# Altium PCB Science-Rev02 - reroute.PcbDoc
Units mil, origin at the board's own origin, x right, y up, seen from the top; angles counter-clockwise.
Board outline 3390 x 2510 mil, 4 copper layers (Top Layer, Ground Plane, Power Plane, Bottom Layer), stack 23.756 mil thick; 89 components, 75 nets, 335 pads, 0 vias.
Unrouted connection lines stored in the file: 224.
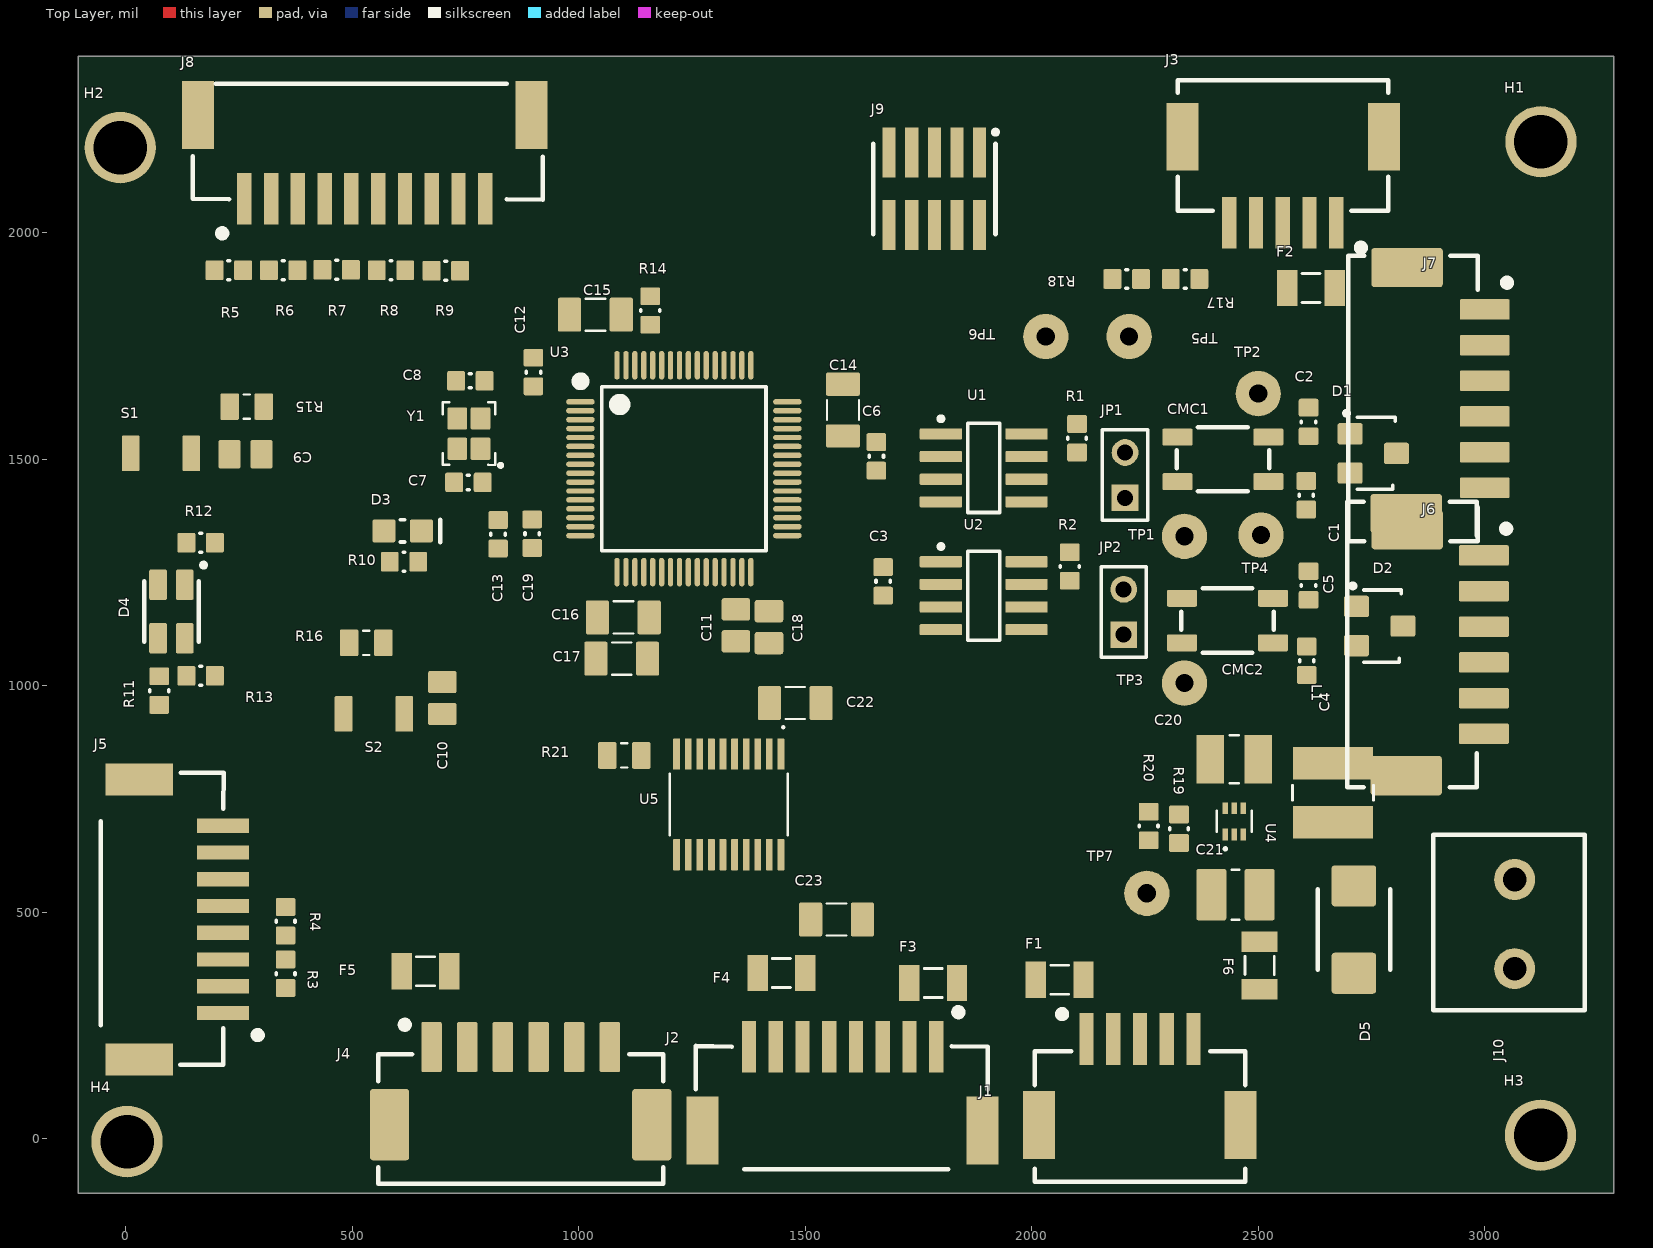
[diagram p0: Top Layer view]
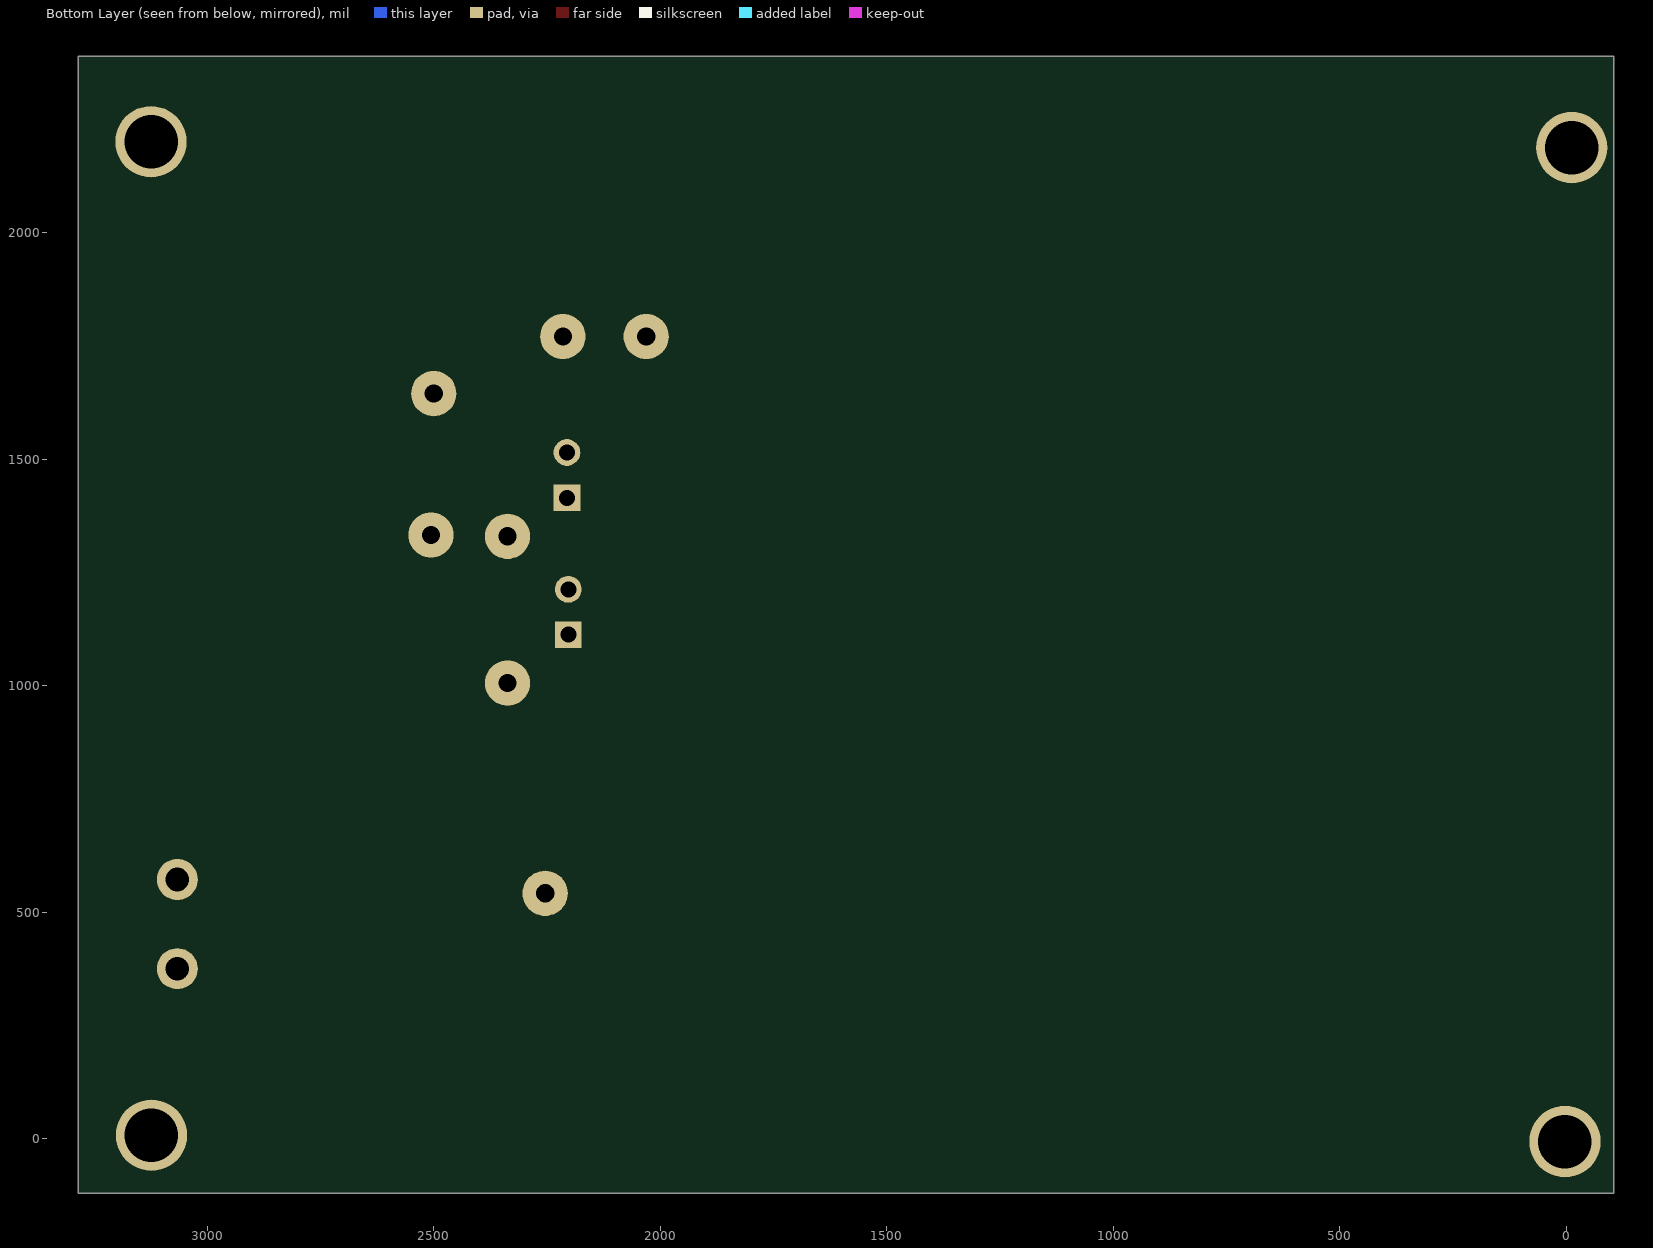
[diagram p1: Bottom Layer view, seen from below]

## Layer stack, top to bottom
Top Solder: solder mask 0.4, Solder Resist, Dk 3.5
Top Layer: signal copper 1.4
Dielectric 2: prepreg 2.8, PP-006, Dk 4.1
Ground Plane: signal copper 1.378
Dielectric 1: dielectric 12.6, FR-4, Dk 4.8
Power Plane: signal copper 1.378
Dielectric 3: prepreg 2.8, PP-006, Dk 4.1
Bottom Layer: signal copper 1.4
Bottom Solder: solder mask 0.4, Solder Resist, Dk 3.5

## Board outline
-105,-120 3285,-120 3285,2390 -105,2390

## Design rules (kind name [scope] priority, off if disabled: settings)
BoardOutlineClearance [All] p1: gap=20 ignorepadtopadclearanceinfootprint=FALSE
Clearance Clearance_HighV [InNet('24V') Or InNet('MOTOR_M') Or InNet('MOTOR_P') vs InNet('GND') Or InNet('MOTOR_M') Or InNet('MOTOR_P')] p1: gap=15 ignorepadtopadclearanceinfootprint=TRUE
Clearance Clearance_Mounting [(HasFootprint('MOUNTING_HOLE'))] p2: gap=40 ignorepadtopadclearanceinfootprint=TRUE except(0: Arc-Hole Track-Hole SMDPad-Hole THPad-Hole Via-Hole Fill-Hole Poly-Hole Region-Hole Text-Hole; 20: Arc-Arc Arc-Track Arc-SMDPad Track-Track Track-SMDPad SMDPad-SMDPad)
Clearance [All] p3: gap=6 ignorepadtopadclearanceinfootprint=TRUE except(0: Arc-Hole Track-Hole SMDPad-Hole THPad-Hole Via-Hole Fill-Hole Poly-Hole Region-Hole Text-Hole; 8: Arc-Fill Arc-Poly Arc-Region Track-Fill Track-Poly Track-Region SMDPad-Fill SMDPad-Poly SMDPad-Region THPad-Fill THPad-Poly THPad-Region Via-Fill Via-Poly Via-Region Fill-Fill Fill-Poly Fill-Region Poly-Poly Poly-Region Region-Region)
ComponentClearance "HM-TRP & UFL" [InComponent('X1') vs InComponent('U1')] p1: gap=0 collisioncheckmode=3 verticalgap=0 showdistances=FALSE
ComponentClearance [All] p2: gap=1 collisioncheckmode=3 verticalgap=1 showdistances=FALSE
DiffPairsRouting [All] p1: maxlimit=393.7 minlimit=5 mostfreqgap=8 toplayer_minwidth=5 toplayer_maxwidth=15 toplayer_prefwidth=8 midlayer1_minwidth=5 midlayer1_maxwidth=15 midlayer1_prefwidth=8 midlayer2_minwidth=5 midlayer2_maxwidth=15 midlayer2_prefwidth=8 bottomlayer_minwidth=5 bottomlayer_maxwidth=15 bottomlayer_prefwidth=8 maxuncoupledlength=500
Height [All] p1: minheight=0 maxheight=2000 prefheight=500
HoleSize [All] p1: absolutevalues=TRUE maxlimit=265 minlimit=10 maxpercent=80.000 minpercent=20.000
HoleToHoleClearance [All] p1: gap=10 allowstackedmicrovias=FALSE
MinimumAnnularRing [All] p1: minimumring=4
MinimumSolderMaskSliver [All] p1: minsoldermaskwidth=0
PlaneClearance [All] p1: clearance=10
PlaneConnect [All] p1: planeconnectstyle=Relief reliefexpansion=4 reliefentries=4 reliefconductorwidth=6 reliefairgap=6
PolygonConnect "Via connect style" [isVia] p1: connectstyle=Direct reliefconductorwidth=10 reliefentries=4 polygonreliefangle="90 Angle" airgapwidth=10
PolygonConnect [All] p2: thpad.connectstyle=Direct thpad.reliefconductorwidth=10 thpad.reliefentries=4 thpad.polygonreliefangle="90 Angle" thpad.airgapwidth=6 smdpad.connectstyle=Relief smdpad.reliefconductorwidth=10 smdpad.reliefentries=4 smdpad.polygonreliefangle="90 Angle" smdpad.airgapwidth=6 via.connectstyle=Direct via.reliefconductorwidth=10 via.reliefentries=4 via.polygonreliefangle="90 Angle" via.airgapwidth=6
RoutingCorners [All] p1: cornerstyle=45-Degree minsetback=49.21 maxsetback=49.21
RoutingVias [All] p1: holewidth=12 width=22 viastyle="Through Hole" minholewidth=10 minwidth=18 maxholewidth=100 maxwidth=114
SilkToSilkClearance [All] p1: silktosilkclearance=0
SilkToSolderMaskClearance [IsPad] p1: minsilkscreentomaskgap=5 clearancetoexposedcopper=TRUE
SolderMaskExpansion [All] p1: expansion=2.5 istentingtop=FALSE
Width [All] p1: maxlimit=400 minlimit=6 preferedwidth=8
19 further rules are at their usual default settings.

## Classes and differential pairs
component class "SH3 - LEVEL SHIFTER": C22 C23 H1 H2 H3 H4 R21 U5
component class "SH5 - CAN": C1 C2 C3 C4 C5 C6 CMC1 CMC2 JP1 JP2 R1 R2 TP1 TP2 TP3 TP4 U1 U2
component class "SH4 - MICROCONTROLLER": C7 C8 C9 C10 C11 C12 C13 C14 C15 C16 C17 C18 C19 D3 D4 J9 R10 R11 R12 R13 R14 R15 R16 S1 S2 TP5 TP6 U3 Y1
component class "SH2 - CONNECTORS": D1 D2 F1 F2 F3 F4 F5 J1 J2 J3 J4 J5 J6 J7 J8 R3 R4 R5 R6 R7 R8 R9 R17 R18
component class "SH1 - POWER": C20 C21 D5 F6 J10 L1 R19 R20 TP7 U4
differential pair CAN2: +CAN2_P -CAN2_N
differential pair CAN1: +CAN1_P -CAN1_N

## Components (designator, comment, footprint, x,y, rotation, side; value= is the part's Value field where it differs from the comment)
C1 "CAP_33pF_50V_0603" CAP0603 2606,1420.5 r90 top value=33pF
C2 "CAP_33pF_50V_0603" CAP0603 2611,1582.5 r270 top value=33pF
C3 "CAP_0.1uF_16V_0603" CAP0603 1672,1230.5 r90 top value=0.1μF
C4 "CAP_33pF_50V_0603" CAP0603 2607,1055.5 r90 top value=33pF
C5 "CAP_33pF_50V_0603" CAP0603 2611,1221.5 r270 top value=33pF
C6 "CAP_0.1uF_16V_0603" CAP0603 1657,1506.5 r90 top value=0.1μF
C7 "CAP_14pF_50V_0603" CAP0603 756.5,1449 r0 top value=14pF
C8 "CAP_14pF_50V_0603" CAP0603 760.74,1673.24 r180 top value=14pF
C9 "CAP_1uF_16V_0805" CAP2012 264.52,1511.24 r0 top value=1uF
C10 "CAP_1uF_16V_0805" CAP2012 699,973 r90 top value=1uF
C11 "CAP_4.7uF_16V_0805" CAP2012 1347,1133.5 r90 top value=4.7μF
C12 "CAP_0.1uF_16V_0603" CAP0603 900,1692.5 r270 top value=0.1μF
C13 "CAP_1uF_16V_0603" CAP0603 822,1334.5 r270 top value=1μF
C14 "CAP_0.1uF_100V_1206" CAPC3216X180N 1583.24,1608.74 r90 top
C15 "CAP_0.1uF_100V_1206" CAPC3216X180N 1036.74,1819.24 r180 top
C16 "CAP_0.1uF_100V_1206" CAPC3216X180N 1098.5,1151 r0 top
C17 "CAP_0.1uF_100V_1206" CAPC3216X180N 1094.91,1060 r0 top
C18 "CAP_4.7uF_16V_0805" CAP2012 1420,1129.5 r270 top value=4.7μF
C19 "CAP_10nF_0603" CAP0603 897.24,1335.74 r270 top value=10μF
C20 "GRM32ER71E226ME15K" CAPC3225X270N 2447,838 r0 top
C21 "CAP_4.7uF_25V_1210" CAPC3225X280N 2449.73,539 r0 top value=4.7μF
C22 "CAP_0.1uF_100V_1206" CAPC3216X180N 1477.91,962 r180 top
C23 "CAP_0.1uF_100V_1206" CAPC3216X180N 1569.09,484.2 r180 top
CMC1 "CMC_51uH" 744212510 2422,1500 r0 top
CMC2 "CMC_51uH" 744212510 2432,1144 r0 top
D1 "TVS_DIODE_CAN" TVS_DIODE_CAN 2754,1513 r0 top
D2 "TVS_DIODE_CAN" TVS_DIODE_CAN 2768,1132 r0 top
D3 "LG R971-KN-1" LED_0805_GREEN 611.34,1342 r0 top
D4 "LED_RGB" LED_RGB 101,1164 r180 top
D5 "TVS_DIODE_UNIDIR_5V" TVS_DIODE_BIDIRECTIONAL 2711,462 r90 top
F1 "FUSE_250mA_1206" FUSE_1206 2061.74,351.24 r180 top
F2 "FUSE_250mA_1206" FUSE_1206 2616.5,1878 r0 top
F3 "FUSE_1.5A_1206" FUSE_1206 1782.5,344.2 r180 top
F4 "FUSE_1.5A_1206" FUSE_1206 1447.5,366.2 r0 top
F5 "FUSE_250mA_1206" FUSE_1206 661.5,370 r180 top
F6 "FUSE_2A_1206" FUSE_1206 2503,383 r90 top
H1 "MOUNTING_HOLES" MOUNTING_HOLE 3124,2201 r0 top
H2 "MOUNTING_HOLES" MOUNTING_HOLE -12,2188 r0 top
H3 "MOUNTING_HOLES" MOUNTING_HOLE 3123,8 r0 top
H4 "MOUNTING_HOLES" MOUNTING_HOLE 3,-6 r0 top
J1 "CON_5M_SM_RA" MOLEX-5025850570 2239.18,239.93 r180 top
J2 "CON_8M_SM_RA" MOLEX-5025850870 1375.72,203.2 r180 top
J3 "CON_5M_SM_RA" MOLEX-5025850570 2554.24,2002.56 r0 top
J4 "CON_6M_SM_RA" MOLEX-5024940670 872,117 r0 top
J5 "CON_8M_SM_RA" MOLEX-5025850870 215,691.28 r90 top
J6 "CON_6M_SM_RA" MOLEX-5024940670 2912.32,1090.94 r270 top
J7 "CON_6M_SM_RA" MOLEX-5024940670 2914.32,1633.94 r270 top
J8 "CON_10M_SM_RA" MOLEX-5025851070 262,2075.23 r0 top
J9 "CON_PROGRAMMING" FTSH-105-01-F-DV-K-P-TR 1785,2097 r180 top
J10 "1935161" 1935161 3066,474 r270 top
JP1 "JUMPER_2" HDR1X2 2206,1415 r90 top
JP2 "JUMPER_2" HDR1X2 2203,1113 r90 top
L1 "IND_1uH_3.8A" IND_BOURNS_SDR04 2665,764 r90 top value=1uH
R1 "RES_120Ω_0603" RESC0603(1608)_N 2100,1577.99 r270 top value=120Ω
R2 "RES_120Ω_0603" RESC0603(1608)_N 2084,1294.99 r270 top value=120Ω
R3 "RES_10kΩ_0603" RESC0603(1608)_N 353,395.99 r270 top value=10kΩ
R4 "RES_10kΩ_0603" RESC0603(1608)_N 353,449 r90 top value=10kΩ
R5 "RES_10kΩ_0603" RESC0603(1608)_N 259.17,1917.23 r180 top value=10kΩ
R6 "RES_10kΩ_0603" RESC0603(1608)_N 379.17,1917.23 r180 top value=10kΩ
R7 "RES_10kΩ_0603" RESC0603(1608)_N 497.17,1918.23 r180 top value=10kΩ
R8 "RES_10kΩ_0603" RESC0603(1608)_N 617.17,1917.23 r180 top value=10kΩ
R9 "RES_10kΩ_0603" RESC0603(1608)_N 738.17,1916.23 r180 top value=10kΩ
R10 "RES_120Ω_0603" RESC0603(1608)_N 646,1274 r180 top value=120Ω
R11 "RES_20Ω_0603" RESC0603(1608)_N 74,1021 r270 top value=20Ω
R12 "RES_120Ω_0603" RESC0603(1608)_N 197,1316 r180 top value=120Ω
R13 "RES_20Ω_0603" RESC0603(1608)_N 134.01,1022 r0 top value=20Ω
R14 "RES_1kΩ_0603" RESC0603(1608)_N 1158,1797 r90 top value=1kΩ
R15 "RES_10kΩ_0805" RESC2012X60N 267.16,1616.24 r180 top value=10kΩ
R16 "RES_10kΩ_0805" RESC2012X60N 531,1095 r0 top value=10kΩ
R17 "RES_1kΩ_0603" RESC0603(1608)_N 2307,1898 r0 top value=1kΩ
R18 "RES_1kΩ_0603" RESC0603(1608)_N 2241,1898 r180 top value=1kΩ
R19 "RES_453kΩ_0603" RESC0603(1608)_N 2325,653.01 r90 top value=453kΩ
R20 "RES_100kΩ_0603_1%" RESC0603(1608)_N 2258,722 r270 top value=100kΩ
R21 "RES_4.7kΩ_0805" RESC2012X60N 1100.64,846.24 r0 top value=4.7kΩ
S1 "SW_TACTILE" B3U-1000P 78,1513 r180 top
S2 "SW_TACTILE" B3U-1000P 548,938 r0 top
TP1 "TESTPOINT_LOOP" TESTPOINT_LOOP 2337,1330 r0 top
TP2 "TESTPOINT_LOOP" TESTPOINT_LOOP 2500,1645 r0 top
TP3 "TESTPOINT_LOOP" TESTPOINT_LOOP 2337,1006 r0 top
TP4 "TESTPOINT_LOOP" TESTPOINT_LOOP 2506,1333 r0 top
TP5 "TESTPOINT_LOOP" TESTPOINT_LOOP 2215,1771 r180 top
TP6 "TESTPOINT_LOOP" TESTPOINT_LOOP 2031,1771 r180 top
TP7 "TESTPOINT_LOOP" TESTPOINT_LOOP 2254,542 r180 top
U1 "IC TXRX CAN" LT-S8_N 1894,1481 r0 top
U2 "IC TXRX CAN" LT-S8_N 1894,1199 r0 top
U3 "STM32F446RET6" STM-LQFP64_L 1232.24,1479.24 r0 top
U4 "TLV62568ADRLR" SOT50P160X60-6N 2447,701 r90 top
U5 "TXS0108EPWR" LEVEL_SHIFTER_8_CHANNEL 1331.24,738.24 r270 top
Y1 "CRYSTAL_25MHZ" SOIC254P1016X440-4N 757.65,1556.7 r90 top

## Footprints (in the part's own frame and the unit in brackets; to place one, negate y for a bottom-side part, rotate by r counter-clockwise, add the part's x,y. Pads: shape width x height; smd on the part's side, far side on the other; paste and mask are expansions set on the pad)
1935161 [mm] "TERM BLK 2POS SIDE ENTRY 5MM PCB"
  round 2.3 hole 1.325: 1(-2.5,0) 2(2.5,0)
  silkscreen extent -5.01,-4.57 4.83,3.94, body extent -5.01,-5.06 5.39,3.94, height 11.41
744212510 [mm] "CMC HORIZONTAL 4 J-LEAD"
  rrect20% 1.7x0.95 smd: 1(-2.55,-1.25) 3(-2.55,1.25) 4(2.55,1.25) 5(2.55,-1.25)
  silkscreen extent -2.6,-1.8 2.6,1.8, body extent -2.6,-1.8 2.6,1.8, height 1.67
B3U-1000P [mm] "TACTILE SWITCH GREY"
  rrect15% 1x2 smd: 1(-1.7,0) 2(1.7,0)
  body extent -2,-1.25 2,1.25, height 1.6
CAP0603 [mm]
  rrect20% 1x1.1 smd: 1(-0.8,0) 2(0.8,0)
  silkscreen extent -0.05,-0.4 0.05,0.4, body extent -0.87,-0.48 0.88,0.48, height 0.87
CAP2012 [mm]
  rrect20% 1.25x1.6 smd: 1(-0.895,0) 2(0.895,0)
  body extent -1.1,-0.7 1.1,0.75, height 1.41
CAPC3216X180N [mm]
  rrect15% 1.3x1.9 smd: 1(-1.45,0) 2(1.45,0)
  silkscreen extent -0.55,-0.9 0.55,0.9, body extent -1.6,-0.9 1.6,0.9, height 1.59
CAPC3225X270N [mm]
  rect 1.53x2.72 smd: 1(-1.341,0) 2(1.341,0)
  silkscreen extent -0.26,-1.35 0.26,1.35, body extent -1.6,-1.35 1.6,1.35, height 2.55
CAPC3225X280N [mm]
  rrect15% 1.675x2.9 smd: 1(-1.353,0) 2(1.353,0)
  silkscreen extent -0.23,-1.4 0.23,1.4, body extent -1.6,-1.25 1.6,1.25, height 1.3
FTSH-105-01-F-DV-K-P-TR [mil] "Samtec programming header 10 positions"
  rect 29x110 smd mask+2: 1(-100,-80) 2(-100,80) 3(-50,-80) 4(-50,80) 5(0,-80) 6(0,80) 7(50,-80) 8(50,80) 9(100,-80) 10(100,80)
  silkscreen extent -140,-130 135,100, body extent -125,-115 125,175, height 276
FUSE_1206 [mil]
  rect 45x80 smd mask+1: 1(-52.5,0) 2(52.5,0)
  silkscreen extent -20,-32 20,32, body extent -65,-32 65,32, height 32
HDR1X2 [mm] "Connector; Header; 2 Position"
  rect 1.5x1.5 hole 0.9: 1(0,0)
  round 1.5 hole 0.9: 2(2.54,0)
  silkscreen extent -1.27,-1.27 3.81,1.27, body extent -1.27,-1.27 3.81,1.27, height 6.35
IND_BOURNS_SDR04 [mil]
  rect 71x177 smd paste+0 mask+0: 1(-65,0) 2(65,0)
  silkscreen extent -16,-90 16,90, body extent -89,-89 89,89, height 126
LED_0805_GREEN [mm] "SMD, 2-Leads, Body 2x1.25mm"
  rrect20% 1.3x1.3 smd: 1(-1.05,0) 2(1.05,0)
  silkscreen extent -0.13,-0.64 2.11,0.64, body extent -1,-0.62 1,0.62, height 1.12
LED_RGB [mm]
  rrect20% 1x1.7 smd: 1(-0.75,-1.5) 2(-0.75,1.5) 3(0.75,1.5) 4(0.75,-1.5)
  silkscreen extent -1.92,-2.72 1.53,1.7, body extent -1.4,-1.75 1.4,1.75, height 1.89
LEVEL_SHIFTER_8_CHANNEL [mm]
  rrect15% 1.75x0.38 smd: 1(-2.819,2.925) 2(-2.819,2.275) 3(-2.819,1.625) 4(-2.819,0.975) 5(-2.819,0.325) 6(-2.819,-0.325) 7(-2.819,-0.975) 8(-2.819,-1.625) 9(-2.819,-2.275) 10(-2.819,-2.925) 11(2.819,-2.925) 12(2.819,-2.275) 13(2.819,-1.625) 14(2.819,-0.975) 15(2.819,-0.325) 16(2.819,0.325) 17(2.819,0.975) 18(2.819,1.625) 19(2.819,2.275) 20(2.819,2.925)
  silkscreen extent -4.32,-3.3 1.71,3.3, body extent -3.3,-3.3 3.3,3.3, height 1.2
LT-S8_N [mm] "SOP, 8-Leads, Body 4.9x3.9mm, Pitch 1.27mm, IPC Medium Density"
  rrect20% 2.375x0.625 smd: 1(-2.4,1.905) 2(-2.4,0.635) 3(-2.4,-0.635) 4(-2.4,-1.905) 5(2.4,-1.905) 6(2.4,-0.635) 7(2.4,0.635) 8(2.4,1.905)
  silkscreen extent -2.52,-2.5 0.9,2.88, body extent -2.91,-2.4 2.87,2.5, height 1.45
MOLEX-5024940670 [mm] "Molex 5024940670 6 pin 2mm pitch SMD RA connector"
  rrect15% 2.2x4 smd: 0(-7.35,-2.175) 0(7.35,-2.175)
  rrect15% 1.15x2.8 smd: 1(-5,2.175) 2(-3,2.175) 3(-1,2.175) 4(1,2.175) 5(3,2.175) 6(5,2.175)
  silkscreen extent -8,-5.49 8,3.62, body extent -8,-5.49 8,3.01, height 6.91
MOLEX-5025850570 [mm]
  rect 1.8x3.8 smd: 0(-5.625,5.32) 0(5.675,5.32)
  rect 0.8x2.9 smd: 1(3,0.5) 2(1.5,0.5) 3(0,0.5) 4(-1.5,0.5) 5(-3,0.5)
  silkscreen extent -5.9,-1.1 5.9,8.5, body extent -5.9,0 5.9,8.5, height 6.21
MOLEX-5025850870 [mm]
  rect 1.8x3.8 smd: 0(-13.1,4.7) 0(2.6,4.7)
  rect 0.8x2.9 smd: 1(-10.5,0) 2(-9,0) 3(-7.5,0) 4(-6,0) 5(-4.5,0) 6(-3,0) 7(-1.5,0) 8(0,0)
  silkscreen extent -13.4,-2.14 2.97,6.86, body extent -13.23,-1.26 3.07,7.24, height 6.41
MOLEX-5025851070 [mm]
  rect 1.8x3.8 smd: 0(-2.6,4.7) 0(16.1,4.7)
  rect 0.8x2.9 smd: 1(0,0) 2(1.5,0) 3(3,0) 4(4.5,0) 5(6,0) 6(7.5,0) 7(9,0) 8(10.5,0) 9(12,0) 10(13.5,0)
  silkscreen extent -2.9,-2.14 16.72,6.45, body extent -3.12,0.05 16.17,6.45, height 5.32
MOUNTING_HOLE [mm]
  round 4 hole 3 unplated: 0(0,0)
RESC0603(1608)_N [mm] "Chip Resistor, Body 1.6x0.8mm, IPC Medium Density"
  rrect15% 1x1.1 smd: 1(0,0) 2(1.6,0)
  silkscreen extent 0.75,-0.53 0.85,0.53, body extent 0,-0.4 1.6,0.4, height 0.46
RESC2012X60N [mm]
  rrect20% 1.05x1.5 smd: 1(-0.955,0) 2(0.955,0)
  silkscreen extent -0.17,-0.68 0.17,0.68, body extent -1,-0.62 1,0.62, height 0.6
SOIC254P1016X440-4N [mm]
  rrect15% 1.25x1.1 smd: 1(-0.85,-0.65) 2(0.85,-0.65) 3(0.85,0.65) 4(-0.85,0.65)
  silkscreen extent -1.88,-1.88 1.75,1.47, body extent -1.24,-0.85 1.24,0.85, height 0.56
SOT50P160X60-6N [mm]
  rect 0.66x0.31 smd: 1(-0.735,0.5) 2(-0.735,0) 3(-0.735,-0.5) 4(0.735,-0.5) 5(0.735,0) 6(0.735,0.5)
  silkscreen extent -1.62,-0.97 0.6,0.97, body extent -0.8,-0.8 0.8,0.8, height 0.6
STM-LQFP64_L [mm] "QFP, 64-Leads, Body 10x10mm, Pitch 0.5mm, IPC High Density"
  oval 1.6x0.3 smd: 1(-5.8,3.75) 2(-5.8,3.25) 3(-5.8,2.75) 4(-5.8,2.25) 5(-5.8,1.75) 6(-5.8,1.25) 7(-5.8,0.75) 8(-5.8,0.25) 9(-5.8,-0.25) 10(-5.8,-0.75) 11(-5.8,-1.25) 12(-5.8,-1.75) 13(-5.8,-2.25) 14(-5.8,-2.75) 15(-5.8,-3.25) 16(-5.8,-3.75) 33(5.8,-3.75) 34(5.8,-3.25) 35(5.8,-2.75) 36(5.8,-2.25) 37(5.8,-1.75) 38(5.8,-1.25) 39(5.8,-0.75) 40(5.8,-0.25) 41(5.8,0.25) 42(5.8,0.75) 43(5.8,1.25) 44(5.8,1.75) 45(5.8,2.25) 46(5.8,2.75) 47(5.8,3.25) 48(5.8,3.75)
  oval 0.3x1.6 smd: 17(-3.75,-5.8) 18(-3.25,-5.8) 19(-2.75,-5.8) 20(-2.25,-5.8) 21(-1.75,-5.8) 22(-1.25,-5.8) 23(-0.75,-5.8) 24(-0.25,-5.8) 25(0.25,-5.8) 26(0.75,-5.8) 27(1.25,-5.8) 28(1.75,-5.8) 29(2.25,-5.8) 30(2.75,-5.8) 31(3.25,-5.8) 32(3.75,-5.8) 49(3.75,5.8) 50(3.25,5.8) 51(2.75,5.8) 52(2.25,5.8) 53(1.75,5.8) 54(1.25,5.8) 55(0.75,5.8) 56(0.25,5.8) 57(-0.25,5.8) 58(-0.75,5.8) 59(-1.25,5.8) 60(-1.75,5.8) 61(-2.25,5.8) 62(-2.75,5.8) 63(-3.25,5.8) 64(-3.75,5.8)
  silkscreen extent -5.92,-4.6 4.6,5.02, body extent -5.98,-6 6.02,6, height 1.56
TESTPOINT_LOOP [mm]
  round 2.54 hole 1.02: 1(0,0)
  body extent -1.27,-1.27 1.27,1.27, height 4.57
TVS_DIODE_BIDIRECTIONAL [mm]
  rrect15% 2.3x2.5 smd: 1(-2.45,0) 2(2.45,0)
  silkscreen extent -2.25,-2.03 2.25,2.03, body extent -2.7,-1.8 2.7,1.8, height 2.27
TVS_DIODE_CAN [mm] "SOT23, 3-Leads, Body 2.95x2.80mm, Pitch 0.95mm, IPC Low Density"
  rrect20% 1.4x1.2 smd: 1(-1.3,1.1) 2(-1.3,-1.1) 3(1.3,0)
  silkscreen extent -1.62,-2.02 1.22,2.37, body extent -1.4,-1.45 1.4,1.45, height 1.3

## Part data
C1 C2 C4 C5: "CAP CER 33PF 50V C0G/NP0", Case Code (Imperial)=0603, Case Code (Metric)=1608, Dielectric="C0G, NP0", Dielectric Material=Ceramic, Insulation Resistance=100GR, Manufacturer 1=Yageo, Manufacturer Part Number 1=CC0603JRNPO9BN330, Max Operating Temperature=125°C, Min Operating Temperature=-55°C, Supplier Part Number 1=311-1064-1-ND, Temperature Coefficient=30ppm/°C, Tolerance=5%, Voltage=50V, ComponentLink7Description=https://datasheet.ciiva.com/11464/upy-gp-np0-16v-to-50v-8-11464730.pdf?src-supplier=Avnet, ComponentLink7URL=https://datasheet.ciiva.com/11464/upy-gp-np0-16v-to-50v-8-11464730.pdf?src-supplier=Avnet, ComponentLink8Description=https://datasheet.ciiva.com/46430/1835847-46430155.pdf?src-supplier=Element14, ComponentLink8URL=https://datasheet.ciiva.com/46430/1835847-46430155.pdf?src-supplier=Element14, ComponentLink9Description=https://datasheet.ciiva.com/144/mlccorderingcode-144644.pdf?src-supplier=Digi-Key, ComponentLink9URL=https://datasheet.ciiva.com/144/mlccorderingcode-144644.pdf?src-supplier=Digi-Key, ComponentLink10Description=https://datasheet.ciiva.com/5426/upy-gp-np0-16v-to-50v-8-5426614.pdf?src-supplier=Mouser, ComponentLink10URL=https://datasheet.ciiva.com/5426/upy-gp-np0-16v-to-50v-8-5426614.pdf?src-supplier=Mouser, ComponentLink11Description=https://datasheet.ciiva.com/7978/1443161-7978142.pdf?src-supplier=Element14, ComponentLink11URL=https://datasheet.ciiva.com/7978/1443161-7978142.pdf?src-supplier=Element14, Composition=Ceramic, Depth=0.8mm, Height=0.8mm, Length=1.6mm, Mount="Surface Mount", Number of Pins=2, Package=0603, REACH SVHC="No SVHC", Supplier 1=Digi-Key, Termination=SMD/SMT, Thickness=0.035inch, Voltage Rating=50V, Voltage Rating (DC)=50V, Width=0.031inch
C3 C6 C12: "CAP CER 0.1UF 16V X7R 0603", Case Code (Imperial)=0603, Case Code (Metric)=1608, Dielectric=X7R, Manufacturer 1=Yageo, Manufacturer Part Number 1=CC0603KRX7R7BB104, Package="0603 (1608 Metric)", Supplier Part Number 1=311-1088-1-ND, Voltage Rating=16V, Dimensions="0.063\" L x 0.031\" W (1.60mm x 0.80mm)", Mount="Surface Mount", Supplier 1=Digi-Key, Temperature Coefficient=X7R
C7 C8: "CAP CER 14PF 50V C0G/NP0 0603", Case Code (Imperial)=0603, Case Code (Metric)=1608, Dielectric="C0G, NP0", Manufacturer 1=Samsung, Manufacturer Part Number 1=CL10C140JB8NNNC, Max Operating Temperature=125°C, Min Operating Temperature=-55°C, Package="0603 (1608 Metric)", Supplier Part Number 1=1276-2187-1-ND, Tolerance=5%, Voltage Rating=50V, Depth=0.8mm, Height=0.8mm, Length=1.6mm, Mount="Surface Mount", Supplier 1=Digi-Key, Thickness=0.035inch, Voltage Rating (DC)=50V, Width=0.031inch
C9 C10: "CAP CER 1UF 16V X7R 0805", Case Code (Imperial)=0805, Case Code (Metric)=2012, Dielectric=X7R, Manufacturer 1=Yageo, Manufacturer Part Number 1=CC0805KKX7R7BB105, Max Operating Temperature=125°C, Min Operating Temperature=-55°C, Package="0805 (2012 Metric)", Supplier Part Number 1=311-1365-1-ND, Tolerance=10%, Voltage Rating=16V, Mount="Surface Mount", Supplier 1=Digi-Key, Termination=SMD/SMT
C11 C18: "CAP CER 4.7UF 16V X5R 0805", Case Code (Imperial)=0805, Case Code (Metric)=2012, Dielectric=X5R, Manufacturer 1="Samsung Electro-Mechanics", Manufacturer Part Number 1=CL21A475KOFNNNE, Max Operating Temperature=85°C, Min Operating Temperature=-55°C, Package="0805 (2012 Metric)", Supplier Part Number 1=1276-1065-1-ND, Tolerance=10%, Voltage Rating=16V, Mount="Surface Mount", Supplier 1=Digi-Key, Termination=SMD/SMT
C13: "CAP CER 1UF 16V Y5V 0603", Case Code (Imperial)=0603, Case Code (Metric)=1608, Dielectric=Y5V, Manufacturer 1=Yageo, Manufacturer Part Number=CC0603ZRY5V7BB105, Package="0603 (1608 Metric)", Supplier Part Number 1=311-1372-1-ND, Voltage Rating=16V, Dimensions="0.063\" L x 0.031\" W (1.60mm x 0.80mm)", Manufacturer Part Number 1=CC0603ZRY5V7BB105, Mount="Surface Mount", Supplier 1=Digi-Key, Temperature Coefficient=Y5V